# Altium PCB EVB-ANNA-B5x1_Certifi.PcbDoc (part 4 of 6)
Units mm, origin at the board's own origin, x right, y up, seen from the top; angles counter-clockwise.
Board outline 100 x 70 mm, 6 copper layers (L1, L2, L3, L4, L5, L6), stack 1.547 mm thick; 490 components, 296 nets, 1421 pads, 1473 vias.
Unrouted connection lines stored in the file: 3.
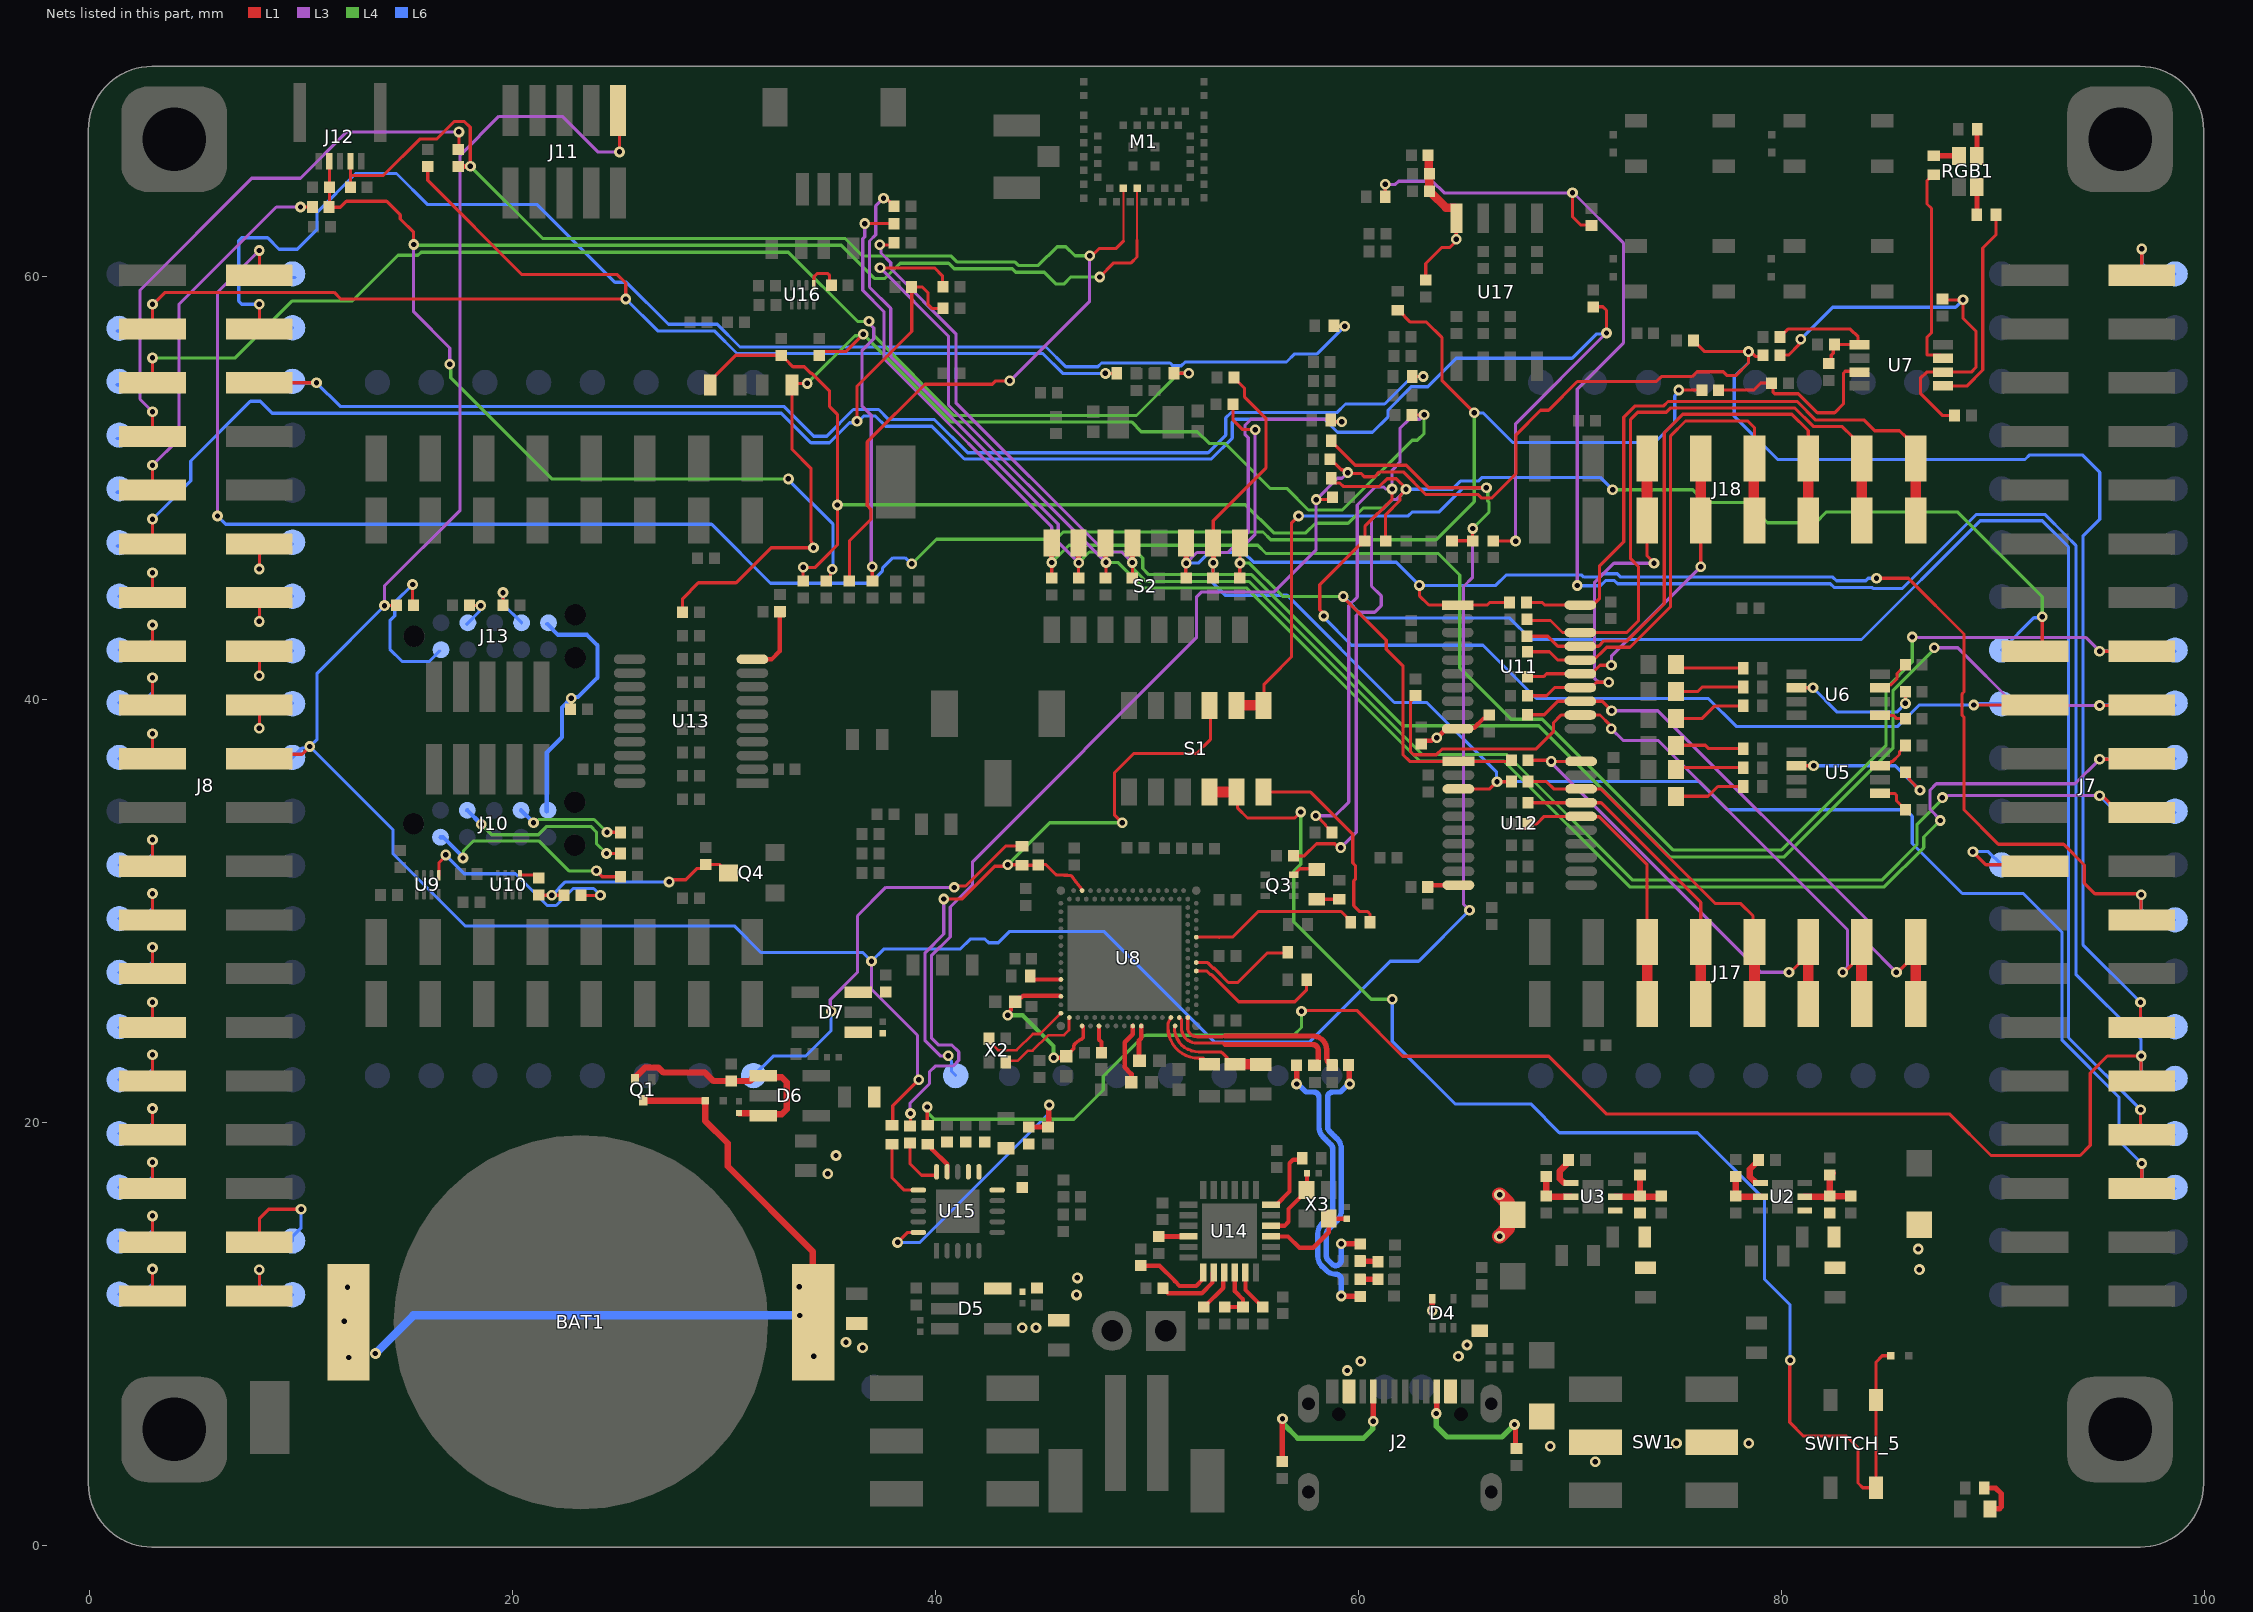
[diagram p8: the nets of this part, all layers, seen from the top]

## Via types
v1: diameter 0.508, hole 0.254, L1 to L6, 1120 vias
v2: diameter 0.5, hole 0.25, L1 to L6, 348 vias
v3: diameter 0.3, hole 0.1, L1 to L6, tented top, 5 vias

## Nets (pads, with @x,y where several pads share a name; then routed paths per layer and width w, separated by ;. In a path a pad name is that pad's centre, name@x,y a point inside that pad or via, vN(x,y) a via of type N, cw(c..) or ccw(c..) an arc to the next point about the centre after c; other vN are vias at no path point) (continued)
M2_AN: J18.1 R95.1 U11.20 | length 31.2
  L1 w0.15: R95.1@67.939,44.597 68.68,44.597 68.799,44.478 U11.20@70.532,44.478 ; U11.20@70.483,44.478 71.087,44.478 71.382,44.774 71.382,46.32 72.533,47.471 72.533,53.357 73.069,53.893 74.422,53.893 74.628,54.099 80.733,54.099 81.609,53.223 83.901,53.223 84.405,52.719 85.573,52.719 85.866,52.426 85.901,52.426 86.336,51.991 J18.1@86.336,51.406
  L1 w0.5: J18.1@86.336,47.686 J18.1@86.336,48.476 J18.1@86.336,50.616
M2_CS: J18.3 R98.1 U11.17 | length 27.2
  L1 w0.15: R98.1@67.961,43.003 68.947,43.003 69.421,42.528 U11.17@70.483,42.528 ; U11.17@70.497,42.435 70.592,42.53 71.343,42.53 71.598,42.785 72.703,42.785 74.447,44.528 74.447,52.621 75.325,53.499 80.485,53.499 81.256,52.727 J18.3@81.256,51.406
  L1 w0.5: J18.3@81.256,47.914 J18.3@81.256,50.664
M2_INT: J17.2 R106.1 U11.12 | length 35.7
  L1 w0.15: R106.1@62.687,40.189 62.672,40.189 62.487,40.004 62.487,39.951 62.452,39.916 62.452,37.542 62.598,37.396 63.669,37.396 63.941,37.668 68.382,37.668 69.216,38.502 69.216,38.926 69.563,39.273 70.478,39.273 U11.12@70.483,39.278 71.409,39.278 71.876,38.811 71.876,38.698 v1(71.945,38.63) ; v1@82.885,27.017 82.885,27.05 83.774,27.939 83.796,27.961 J17.2@83.796,28.546
  L1 w0.5: J17.2@83.774,25.507 83.774,27.939 J17.2@83.774,28.437
  L3 w0.15: v1(71.945,38.63) 72.497,38.077 74.154,38.077 83.114,29.118 83.114,27.387 82.885,27.158 v1(82.885,27.12)
M2_MISO: J18.5 R101.1 U11.15 | length 15.6
  L1 w0.15: R101.1@67.983,41.093 68.747,41.093 68.882,41.228 U11.15@70.483,41.228 ; U11.15@70.497,41.135 71.022,41.135 71.093,41.206 71.093,41.313 71.411,41.631 v1(71.951,41.631) ; v1(76.176,46.289) J18.5@76.176,48.476
  L1 w0.5: J18.5@76.176,48.476 J18.5@76.176,51.227
  L3 w0.15: v1(71.951,41.631) 71.951,42.064 v1(76.176,46.289)
M2_MOSI: J18.6 R102.1 U11.14 | length 17.5
  L1 w0.15: R102.1@67.99,40.189 68.882,40.189 69.271,40.578 70.997,40.578 71.246,40.827 v1(71.821,40.827) ; J18.6@73.633,48.764 73.633,48.476 73.633,46.801 73.963,46.471 v1(73.963,46.454)
  L1 w0.5: J18.6@73.633,48.764 J18.6@73.633,51.227
  L3 w0.15: v1(71.821,40.827) 71.344,40.827 71.145,41.025 71.145,45.532 72.067,46.454 v1(73.963,46.454)
M2_PWM: J17.1 R104.1 U11.13 | length 28
  L1 w0.15: R104.1@67.946,39.293 68.771,39.293 69.407,39.928 71.514,39.928 v1(71.959,39.483) ; v1@85.425,27.017 85.425,27.05 86.336,27.961 J17.1@86.336,28.546
  L1 w0.5: J17.1@86.336,25.592 J17.1@86.336,25.616 J17.1@86.336,27.961
  L3 w0.15: v1(71.959,39.483) 74.148,39.483 84.044,29.587 84.044,28.501 v1(85.425,27.12)
M2_RST: J18.2 R97.1 U11.18 | length 30.7
  L1 w0.15: R97.1@67.961,43.745 69.073,43.745 69.64,43.178 72.672,43.178 73.23,43.736 73.23,46.29 72.856,46.664 72.856,53.256 73.193,53.593 74.546,53.593 74.752,53.799 80.609,53.799 81.485,52.923 82.85,52.923 83.347,52.426 83.361,52.426 83.796,51.991 J18.2@83.796,51.406
  L1 w0.5: J18.2@83.796,47.914 J18.2@83.796,50.664
M2_RX: J17.3 R107.1 U12.20 | length 22.8
  L1 w0.15: v1@80.345,27.017 80.345,27.05 81.256,27.961 J17.3@81.256,28.546
  L1 w0.153: R107.1@68.018,37.138 69.048,37.138 v1(69.101,37.084) U12.20@70.518,37.084
  L1 w0.5: J17.3@81.256,25.592 J17.3@81.256,25.616 81.256,27.961 J17.3@81.256,28.522
  L3 w0.153: v1(69.101,37.084) 69.101,37.028 79.009,27.12 v1(80.345,27.12)
M2_SCK: J18.4 R99.1 U11.16 | length 24.7
  L1 w0.15: R99.1@67.983,42.267 69.024,42.267 69.413,41.878 U11.16@70.483,41.878 ; U11.16@70.497,41.785 71.022,41.785 71.722,42.485 72.827,42.485 74.752,44.409 74.752,52.475 75.455,53.178 78.403,53.178 78.716,52.865 J18.4@78.716,51.406
  L1 w0.5: J18.4@78.681,48.21 J18.4@78.681,50.96
M2_SCL: J17.5 R110.1 U12.17 | length 14.9
  L1 w0.153: R110.1@68.018,35.129 70.513,35.129 U12.17@70.518,35.134 71.461,35.134 76.176,30.419 J17.5@76.176,28.546
  L1 w0.5: J17.5@76.165,25.483 J17.5@76.165,28.413
M2_SDA: J17.6 R112.1 U12.16 | length 13.3
  L1 w0.15: R112.1@68.018,34.125 68.02,34.126 68.415,34.126 68.773,34.484 U12.16@70.518,34.484 70.531,34.471 71.367,34.471 73.636,32.202 J17.6@73.636,28.546
  L1 w0.5: J17.6@73.636,25.592 J17.6@73.636,28.522
M2_TX: J17.4 R108.1 U12.18 | length 17.5
  L1 w0.15: J17.4@78.716,27.961 J17.4@78.716,28.546
  L1 w0.153: R108.1@68.018,36.133 68.866,36.133 69.216,35.784 U12.18@70.518,35.784 71.448,35.784 76.872,30.36 78.066,30.36 78.645,29.781 78.645,28.617 J17.4@78.716,28.546
  L1 w0.5: J17.4@78.716,25.592 J17.4@78.716,25.616 J17.4@78.716,27.961
NEEDLE_5V: J10.5 J13.5 R92.1 | length 12.3
  L1 w0.2: R92.1@22.739,39.548 22.757,39.565 22.757,40.054 v1(22.774,40.072)
  L6 w0.2: J10.5@21.615,34.714 21.615,37.501 22.339,38.226 22.339,39.637 v1(22.774,40.072) 22.832,40.129 23.094,40.129 24.008,41.043 24.008,42.572 23.512,43.068 22.151,43.068 J13.5@21.64,43.578
NetBAT1_1: BAT1.1 D8.1 Q1.3 | length 38.5
  L1 w0.3: Q1.3@26.186,21.048 D8.1@29.114,21.048 29.114,20.082 30.165,19.031 30.165,17.943 34.195,13.913 34.195,12.894 v1(33.551,12.25) 33.551,10.918 v1(33.58,10.888) 33.58,9.613 v1(34.239,8.954)
  L6 w0.4: v1(13.513,9.093) 15.308,10.888 v1(33.58,10.888)
  other v1: 12.248,8.903 12.038,10.615 12.195,12.231
NetC6_1: C6.1 R29.2 R32.2 U2.1
NetC9_1: C9.1 C20.1 D1.C D3.C D5.5 SW1.2
  other v1: 46.66,11.862 46.704,12.663 86.512,13.058 86.46,14.029
  other v2: 71.183,3.969 69.063,4.702
NetC13_1: C13.1 R35.2 R41.2 U3.1 | length 0
  L1 w0.15: C13.1@73.521,14.601 C13.1@73.536,14.616
NetC14_1: C14.1 R32.1 R33.2 U2.2 | length 3.3
  L1 w0.3: U2.2@81.096,16.501 82.231,16.501 R32.1@82.267,16.537 ; C14.1@82.421,17.607 82.269,17.456 82.269,16.539 R32.1@82.267,16.537 ; R33.2@83.276,16.529 R33.2@83.261,16.529 83.257,16.533 82.271,16.533 R32.1@82.267,16.537
NetC15_2: C15.2 R35.1 R201.2 U3.2 | length 3.1
  L1 w0.3: U3.2@72.136,16.501 R201.2@74.301,16.501 ; R35.1@73.305,16.537 C15.2@73.305,17.457
NetC18_1: C18.1 C68.1 D6.1 D6.3 Q1.2 | length 11.7
  L1 w0.3: Q1.2@25.786,22.064 25.786,22.134 26.266,22.614 26.891,22.614 27.132,22.372 29.096,22.372 29.494,21.974 C18.1@30.332,21.974 31.223,21.974 31.476,22.227 D6.1@31.851,22.227 31.926,22.152 32.726,22.152 32.96,21.918 32.96,20.636 32.726,20.402 31.926,20.402 D6.3@31.851,20.327 31.726,20.452 30.709,20.452 C68.1@30.7,20.461
NetC19_1: C19.1 C71.1 D7.1 D7.3 R51.1 R52.1 R225.2
  other v1: 36.547,9.359 35.763,9.627 44.094,10.304 44.744,10.312 34.9,17.594 35.29,18.451
NetC26_1: C26.1 C27.1 U8.A27 U8.G31 | length 8.6
  L1 w0.17: C26.1@46.174,23.149 46.534,23.509 46.534,23.557 cw(c46.773,23.583) 46.603,23.752 ; 46.603,23.753 cw(c47.234,23.122) 46.884,23.942 ccw(c46.816,24.098) 46.986,24.097 46.986,24.443 ccw(c46.816,24.443) 46.936,24.563 U8.A27@46.923,24.576
  L1 w0.2: v1(43.404,25.082) 43.404,25.165 43.568,25.329 43.568,25.524 C27.1@43.768,25.724 ; C27.1@43.957,25.913 43.968,25.924 44.06,25.924 44.144,26.008 45.885,26.008 45.916,25.976 U8.G31@45.923,25.976 ; v1(45.589,23.07) 46.095,23.07 C26.1@46.174,23.149
  L4 w0.2: v1(43.404,25.082) 44.115,25.082 45.573,23.624 45.573,23.086 v1(45.589,23.07)
NetC33_1: C33.1 U8.A15 | length 3.2
  L1 w0.225: C33.1@49.098,22.104 ccw(c49.323,22.114) 49.163,21.955 49.231,21.888 C33.1@49.232,21.886 ; C33.1@49.255,21.912 49.255,22.304 48.94,22.619 48.94,23.801 49.323,24.184 U8.A15@49.323,24.576
NetC34_1: C34.1 R81.2 U8.A5 | length 5
  L1 w0.15: U8.A5@51.299,24.576 ccw(c51.439,24.522) 51.289,24.523 ccw(c52.441,24.501) 52.44,23.348 ; 52.441,23.348 53.441,23.348 cw(c53.441,23.198) 53.547,23.304 C34.1@54.062,22.789
  L1 w0.5: C34.1@54.152,22.763 54.154,22.761 55.37,22.761 R81.2@55.372,22.758
NetC35_1: C35.1 U8.B6 | length 3.7
  L1 w0.15: U8.B6@51.123,24.976 50.999,24.72 ccw(c51.134,24.655) 50.985,24.641 50.986,24.625 cw(c50.837,24.611) 50.986,24.601 ccw(c51.323,24.576) 50.988,24.538 cw(c50.839,24.522) 50.989,24.521 ccw(c52.441,24.501) 52.441,23.048 52.654,23.048 52.741,22.961 C35.1@52.942,22.76
  L1 w0.187: C35.1@52.705,22.926 C35.1@52.906,22.724
NetC36_1: C36.1 U8.A23 | length 1.3
  L1 w0.2: U8.A23@47.723,24.576 47.723,23.928 47.73,23.928 47.844,23.814 C36.1@47.844,23.309
NetC37_1: C37.1 U8.A13 | length 1.9
  L1 w0.225: C37.1@49.613,22.75 49.613,23.887 49.723,23.997 U8.A13@49.723,24.576
NetC53_1: C53.1 C54.1 C55.1 C60.1 F2.2 R156.1 U15.10 U15.11 U15.12
NetC57_1: C57.1 U14.10 | length 1.4
  L1 w0.25: C57.1@50.551,14.616 50.556,14.621 51.94,14.621 U14.10@51.946,14.626
NetC58_1: C58.1 U14.21 X3.1 | length 4.8
  L1 w0.2: U14.21@55.846,14.626 56.66,14.626 57.198,14.089 57.857,14.089 58.589,14.821 58.589,15.468 X3.1@58.586,15.471 58.593,15.465 C58.1@59.433,15.465
NetC59_1: C59.1 U14.22 X3.3 | length 3.6
  L1 w0.2: U14.22@55.846,15.126 56.496,15.126 56.69,15.32 56.69,15.925 57.558,16.793 C59.1@57.558,17.619
NetC66_2: C66.2 C67.2 R182.2 R198.1 U17.8 | length 7.5
  L1 w0.15: R198.1@63.174,59.85 63.174,60.624 63.93,61.38 64.307,61.38 64.618,61.69 64.618,62.762 U17.8@64.625,62.769
  L1 w0.4: R182.2@63.29,65.735 63.316,65.71 63.316,64.897 C66.2@63.341,64.872 63.341,64.108 C67.2@63.401,64.108 ; C67.2@63.341,64.033 63.341,64.018 63.401,63.958 63.436,63.958 64.125,63.269 64.55,63.269 64.625,63.194 U17.8@64.625,62.769
  other v1: 64.618,61.773
NetD2_C: D2.C SW1.5 | length 2.5
  L1 w0.7: v1(66.663,14.632) 67.04,15.009 67.04,15.4 D2.C@67.29,15.65 ; v1(66.663,16.594) 67.04,16.217 67.04,15.863 D2.C@67.252,15.651
  other v1: 75.023,4.841 78.444,4.841
NetD4_5: D4.5 F1.1 J2.A4B9 J2.B4A9 | length 0.6
  L1 w0.25: v1(63.475,11.12) 63.479,11.124 63.479,11.664 D4.5@63.483,11.668
  other v1: 59.462,8.287 60.093,8.722 64.716,8.958 65.122,9.491
NetD9_1: D9.1 R59.2 | length 3.4
  L1 w0.15: D9.1@75,35.433 76.519,35.433 76.985,35.9 R59.2@78.131,35.9 ; R59.2@78.181,35.85 R59.2@78.131,35.9 ; R59.2@78.181,35.9 R59.2@78.131,35.9
NetD10_1: D10.1 R61.2 | length 3.2
  L1 w0.15: D10.1@75,36.703 75.086,36.789 R61.2@78.181,36.789
NetD11_1: D11.1 R64.2 | length 3.8
  L1 w0.15: D11.1@75,37.846 76.383,37.846 76.53,37.699 R64.2@78.287,37.699 ; 77.787,37.699 78.16,37.699 R64.2@78.181,37.678
NetD12_1: D12.1 R66.2 | length 3.4
  L1 w0.15: D12.1@75,39.116 76.249,39.116 76.842,39.71 R66.2@78.165,39.71 ; R66.2@78.165,39.726 R66.2@78.181,39.71
NetD13_1: D13.1 R67.2 | length 3.3
  L1 w0.15: D13.1@75,40.386 76.021,40.386 76.234,40.599 R67.2@78.181,40.599
NetD14_1: D14.1 R68.2 | length 3.3
  L1 w0.15: D14.1@75,41.656 75.152,41.504 R68.2@78.165,41.504
  L1 w0.25: R68.2@78.165,41.504 R68.2@78.181,41.488
NetD16_1: D16.1 Q3.6 | length 1.3
  L1 w0.15: Q3.6@56.925,31.722 57,31.722 57.075,31.797 57.075,31.872 57.213,32.011 57.979,32.011 D16.1@58.02,31.97
NetD16_2: D16.2 R82.2 | length 1.1
  L1 w0.15: D16.2@58.02,30.57 R82.2@59.07,30.57
NetD19_1: D19.1 R77.2 | length 2.1
  L1 w0.25: R77.2@89.575,2.735 90.116,2.735 90.382,2.469 90.382,1.832 90.294,1.744 D19.1@89.851,1.744
NetJ2_A5: J2.A5 R40.2 | length 9
  L1 w0.25: v2@56.367,6.066 56.391,6.042 R40.2@56.391,3.974 ; v2(60.69,5.891) J2.A5@60.69,7.449
  L4 w0.25: v2(56.398,6.01) 56.446,5.962 56.446,5.754 57.118,5.082 60.221,5.082 60.668,5.529 60.668,5.869 v2(60.69,5.891)
NetJ2_B5: J2.B5 R39.2 | length 7
  L1 w0.25: v1(63.672,6.254) 63.696,6.278 J2.B5@63.696,7.296
  L1 w0.255: v1(67.368,5.732) 67.416,5.684 67.416,4.653 R39.2@67.466,4.603
  L4 w0.25: v1(63.672,6.254) 63.672,5.644 64.176,5.14 66.775,5.14 v1(67.368,5.732)
NetJ7_2: J7.2 TP45.1 | length 3.6
  L1 w0.15: J7.2@97.025,60.07 v1@97.025,61.228
  L6 w0.15: v1(97.025,61.316) 97.025,60.63 97.525,60.13 TP45.1@98.6,60.13
NetJ7_23: J7.23 TP66.1 | length 5
  L1 w0.15: v1(89.041,32.815) 89.654,32.202 91.903,32.202 J7.23@91.975,32.13
  L6 w0.15: v1@88.937,32.82 89.77,32.82 TP66.1@90.4,32.19 TP66.1@90.448,32.142
NetJ8_12: J8.12 TP95.1 | length 3.6
  L1 w0.15: v1@8.025,46.238 J8.12@8.025,47.396
  L6 w0.15: v1(8.025,46.184) 8.025,46.87 8.525,47.37 TP95.1@9.599,47.37
NetJ8_13: J8.13 TP97.1 | length 3.6
  L1 w0.15: J8.13@2.975,44.83 v1(2.975,46.001)
  L6 w0.15: TP97.1@1.4,44.89 2.583,44.89 2.975,45.282 v1(2.975,46.001)
NetJ8_14: J8.14 TP98.1 | length 3.6
  L1 w0.15: v1@8.025,43.67 J8.14@8.025,44.828
  L6 w0.15: v1(8.025,43.704) 8.025,44.39 8.525,44.89 TP98.1@9.599,44.89
NetJ8_15: J8.15 TP99.1 | length 3.6
  L1 w0.15: J8.15@2.975,42.318 v1@2.975,43.476
  L6 w0.15: TP99.1@1.4,42.35 2.475,42.35 2.975,42.85 v1(2.975,43.536)
NetJ8_16: J8.16 TP100.1 | length 3.6
  L1 w0.15: v1(8.025,41.13) J8.16@8.025,42.288
  L6 w0.15: v1(8.025,41.13) 8.025,41.816 8.525,42.316 TP100.1@9.599,42.316
NetJ8_17: J8.17 TP101.1 | length 3.6
  L1 w0.15: J8.17@2.975,39.75 v1@2.975,40.908
  L6 w0.15: TP101.1@1.4,39.855 2.475,39.855 2.975,40.355 v1(2.975,41.041)
NetJ8_18: J8.18 TP102.1 | length 3.6
  L1 w0.15: v1(8.025,38.65) J8.18@8.025,39.75
  L6 w0.15: v1(8.025,38.65) 8.025,39.336 8.525,39.836 TP102.1@9.599,39.836
NetJ8_19: J8.19 TP103.1 | length 3.6
  L1 w0.15: J8.19@2.975,37.21 v1@2.975,38.368
  L6 w0.15: TP103.1@1.401,37.21 2.475,37.21 2.975,37.71 v1(2.975,38.396)
NetJ8_23: J8.23 TP106.1 | length 3.6
  L1 w0.15: J8.23@2.975,32.158 v1@2.975,33.316
  L6 w0.15: TP106.1@1.4,32.19 2.475,32.19 2.975,32.69 v1(2.975,33.376)
NetJ8_25: J8.25 TP109.1 | length 3.6
  L1 w0.15: J8.25@2.975,29.59 v1@2.975,30.748
  L6 w0.15: TP109.1@1.4,29.65 2.475,29.65 2.975,30.15 v1(2.975,30.836)
NetJ8_27: J8.27 TP111.1 | length 3.6
  L1 w0.15: J8.27@2.975,27.05 v1@2.975,28.208
  L6 w0.15: TP111.1@1.4,27.11 2.475,27.11 2.975,27.61 v1(2.975,28.296)
NetJ8_29: J8.29 TP112.1 | length 3.6
  L1 w0.15: J8.29@2.975,24.538 v1(2.975,25.696)
  L6 w0.15: TP112.1@1.401,24.51 2.475,24.51 2.975,25.01 v1(2.975,25.696)
NetJ8_31: J8.31 TP115.1 | length 3.6
  L1 w0.15: J8.31@2.975,21.97 v1@2.975,23.128
  L6 w0.15: TP115.1@1.4,22.03 2.475,22.03 2.975,22.53 v1(2.975,23.216)
NetJ8_33: J8.33 TP117.1 | length 3.6
  L1 w0.15: J8.33@2.975,19.43 v1@2.975,20.588
  L6 w0.15: TP117.1@1.4,19.49 2.475,19.49 2.975,19.99 v1(2.975,20.676)
NetJ8_35: J8.35 TP119.1 | length 3.6
  L1 w0.15: J8.35@2.975,16.918 v1@2.975,18.076
  L6 w0.15: TP119.1@1.4,16.95 2.475,16.95 2.975,17.45 v1(2.975,18.136)
NetJ8_37: J8.37 TP121.1 | length 3.6
  L1 w0.15: J8.37@2.975,14.35 v1@2.975,15.508
  L6 w0.15: TP121.1@1.4,14.41 2.475,14.41 2.975,14.91 v1(2.975,15.596)
NetJ8_38: J8.38 TP122.1 | length 4.9
  L1 w0.15: J8.38@8.025,14.41 8.025,15.464 8.471,15.91 v1(10,15.91)
  L6 w0.15: TP122.1@9.6,14.41 9.6,14.635 10,15.035 v1(10,15.91)
NetJ8_39: J8.39 TP123.1 | length 3.6
  L1 w0.15: J8.39@2.975,11.81 v1@2.975,12.968
  L6 w0.15: TP123.1@1.4,11.895 2.475,11.895 2.975,12.395 v1(2.975,13.081)
NetJ8_40: J8.40 TP124.1 | length 3.7
  L1 w0.15: J8.40@8.025,11.87 v1(8.025,13.056)
  L6 w0.15: v1(8.025,13.056) 8.025,12.37 8.525,11.87 TP124.1@9.6,11.87
NetJ10_2: J10.2 R90.1 | length 8.7
  L1 w0.15: v1(24.437,32.728) R90.1@25.1,32.728
  L4 w0.15: v1(18.517,34.112) 19.013,33.616 21.219,33.616 21.617,34.014 23.694,34.014 23.962,33.745 23.962,33.203 v1(24.437,32.728)
  L6 w0.2: J10.2@17.859,34.773 J10.2@17.859,34.773 18.517,34.114 v1(18.517,34.112)
NetJ10_4: J10.4 R91.1 | length 5.3
  L1 w0.15: v1(24.46,33.731) 25.094,33.731 R91.1@25.1,33.725
  L4 w0.15: v1(20.984,34.188) 21.081,34.188 21.233,34.34 23.851,34.34 v1(24.46,33.731)
  L6 w0.2: J10.4@20.399,34.773 v1(20.984,34.188)
NetJ10_10: J10.10 R89.2 | length 10.2
  L1 w0.15: v1(23.962,31.91) 24.24,31.632 R89.2@25.1,31.632
  L4 w0.15: v1(17.651,32.516) 17.678,32.543 17.678,32.867 18.127,33.316 21.253,33.316 22.659,31.91 v1(23.962,31.91)
  L6 w0.2: J10.10@16.589,33.503 16.714,33.503 17.651,32.566 v1(17.651,32.516)
NetJ13_2: J13.2 R165.1 | length 1.7
  L1 w0.15: R165.1@17.951,44.459 17.96,44.45 v1(18.491,44.45)
  L6 w0.15: J13.2@17.83,43.578 18.423,44.171 18.423,44.382 v1(18.491,44.45)
NetJ13_4: J13.4 R166.1 | length 2.4
  L1 w0.15: R166.1@19.545,44.459 v1(19.545,45.065)
  L6 w0.15: v1(19.545,45.065) 19.545,44.516 J13.4@20.424,43.637
NetJ13_10: J13.10 R164.2 | length 7.3
  L1 w0.15: v1(15.271,45.449) 15.271,44.5 R164.2@15.311,44.459
  L6 w0.15: v1(15.271,45.449) 14.424,44.602 14.424,43.967 14.195,43.738 14.195,42.396 14.782,41.809 16.061,41.809 J13.10@16.56,42.308
NetR30_1: R30.1 R34.2 U2.5 | length 2
  L1 w0.3: R34.2@77.826,17.406 77.828,17.403 77.828,16.54 R30.1@77.831,16.537 ; R30.1@77.861,16.501 U2.5@78.996,16.501
NetR31_1: R31.1 U2.4 | length 1.6
  L1 w0.3: R31.1@78.913,18.237 78.913,18.222 78.496,17.806 78.496,17.45 78.796,17.151 U2.4@78.996,17.151
NetR43_1: R43.1 U3.4 | length 1.6
  L1 w0.3: R43.1@69.933,18.151 69.861,18.151 69.823,18.112 69.823,18.026 69.516,17.719 69.516,17.355 69.72,17.151 U3.4@70.036,17.151
NetR44_1: R44.1 R45.2 U3.5 | length 2
  L1 w0.3: R44.1@68.869,16.54 R45.2@68.869,17.404 ; R44.1@68.901,16.501 U3.5@70.036,16.501
NetR47_2: R47.2 U8.AA1 | length 8.1
  L1 w0.15: U8.AA1@52.323,28.776 53.349,28.776 cw(c53.348,28.626) 53.362,28.775 ccw(c53.408,29.252) 53.454,28.775 cw(c53.467,28.626) 53.466,28.776 54.034,28.776 55.248,29.99 59.169,29.99 59.635,29.524 R47.2@59.635,29.474
NetR57_1: R57.1 U5.1 | length 2.3
  L1 w0.15: U5.1@84.272,35.452 U5.1@84.747,35.452 ; U5.1@84.76,35.465 U5.1@84.651,35.574 85.341,35.574 85.429,35.486 85.429,35.227 85.846,34.811 R57.1@85.846,34.796
NetR58_1: R58.1 U5.6 | length 7.5
  L1 w0.15: U5.6@80.694,36.881 U5.6@80.701,36.874 80.707,36.881 v1(81.509,36.881) ; R58.1@85.846,36.566 86.031,36.381 86.031,36.229 v1(86.538,35.721)
  L6 w0.15: v1(81.509,36.881) 85.378,36.881 v1(86.538,35.721)
NetR60_1: R60.1 U5.3 | length 1.7
  L1 w0.15: U5.3@84.651,36.874 84.901,36.874 85.051,37.024 85.132,37.024 85.182,37.074 85.236,37.074 85.573,37.411 85.573,37.548 85.846,37.821 R60.1@85.846,37.836
NetR62_1: R62.1 U6.1 | length 1.5
  L1 w0.15: U6.1@84.651,39.257 85.291,39.257 85.442,39.106 R62.1@85.846,39.106 R62.1@85.694,39.257
NetR63_1: R63.1 U6.6 | length 6.3
  L1 w0.15: U6.6@80.711,40.564 v1(81.483,40.564) ; R63.1@85.846,40.376 85.852,40.369 v1(85.852,39.827)
  L6 w0.15: v1(81.483,40.564) 82.63,39.417 85.442,39.417 v1(85.852,39.827)
NetR65_1: R65.1 U6.3 | length 1.8
  L1 w0.15: U6.3@84.651,40.557 84.801,40.707 85.169,40.707 85.456,40.994 85.456,41.241 85.753,41.538 85.753,41.553 R65.1@85.846,41.646
NetR69_1: R69.1 R70.1 R222.2 U7.1 | length 6.5
  L1 w0.15: R70.1@79.924,57.152 79.924,57.167 80.109,57.352 80.124,57.352 80.295,57.523 83.246,57.523 83.615,57.154 83.615,56.856 U7.1@83.679,56.792 ; R222.2@82.22,55.89 82.343,56.013 82.343,56.287 82.438,56.382 82.438,56.74 R69.1@82.493,56.794 U7.1@83.615,56.794
NetR71_1: R71.1 U7.7 | length 9.7
  L1 w0.15: R71.1@87.198,64.82 87.148,64.82 86.874,64.546 86.874,63.44 87.084,63.229 87.084,57.346 86.874,57.136 86.874,56.292 87.479,56.292 U7.7@87.629,56.142
NetR71_2: R71.2 RGB1.1 | length 1.2
  L1 w0.25: R71.2@87.198,65.72 88.362,65.72 RGB1.1@88.38,65.702
NetR72_2: R72.2 RGB1.2 | length 1.3
  L1 w0.25: RGB1.2@89.23,65.702 89.239,65.711 89.239,66.963 R72.2@89.248,66.972
NetR73_1: R73.1 R223.2 U7.3 | length 9.3
  L1 w0.15: R73.1@77.026,54.64 78.67,54.64 78.999,54.969 R223.2@79.527,54.969 79.588,54.908 79.588,54.557 79.675,54.469 80.787,54.469 81.688,53.568 82.502,53.568 82.922,53.988 82.922,55.442 83.01,55.53 83.641,55.53 U7.3@83.679,55.492
NetR74_1: R74.1 R76.1 R224.2 U7.6 | length 19.9
  L1 w0.15: R76.1@79.924,56.294 80.321,56.294 80.834,56.807 80.834,56.976 v1(80.902,57.044) ; R224.2@87.605,58.942 87.641,58.906 v1(88.573,58.906) 88.573,58.036 89.19,57.418 89.19,55.716 88.966,55.492 U7.6@87.629,55.492 86.851,55.492 86.559,55.2 86.559,54.49 87.613,53.436 R74.1@88.173,53.436
  L6 w0.15: v1(80.902,57.044) 82.414,58.556 88.223,58.556 v1(88.573,58.906)
NetR75_1: R75.1 U7.5 | length 9.8
  L1 w0.15: U7.5@87.629,54.842 87.641,54.83 88.75,54.83 89.51,55.59 89.51,61.36 90.133,61.983 R75.1@90.133,62.929
NetR75_2: R75.2 RGB1.3 | length 1.3
  L1 w0.25: RGB1.3@89.23,64.252 89.232,64.25 89.232,62.931 R75.2@89.233,62.929
NetR80_2: R80.2 U8.L31 | length 1.5
  L1 w0.187: R80.2@44.465,26.939 44.465,26.932 44.621,26.776 U8.L31@45.923,26.776
NetR83_1: R83.1 U9.5 | length 10.8
  L1 w0.15: U9.5@16.51,31.699 16.522,31.712 16.522,32.305 16.84,32.622 v1(16.84,32.664) ; R83.1@23.239,30.752 v1(24.151,30.752)
  L6 w0.15: v1(16.84,32.664) 16.84,32.642 17.713,31.769 20.134,31.769 21.633,30.27 22.056,30.27 22.859,31.074 23.829,31.074 v1(24.151,30.752)
NetR84_2: R84.2 TP37.1 | length 19.7
  L1 w0.15: v2(40.886,31.126) 40.953,31.193 41.419,31.193 43.31,33.084 44.074,33.084 R84.2@44.081,33.078
  L3 w0.15: v1(35.059,25.274) 35.016,25.317 35.016,25.822 36.304,27.11 36.304,29.78 37.65,31.126 v2(40.886,31.126)